# KiCad board Wrap030-Multiuser.kicad_pcb (continued)
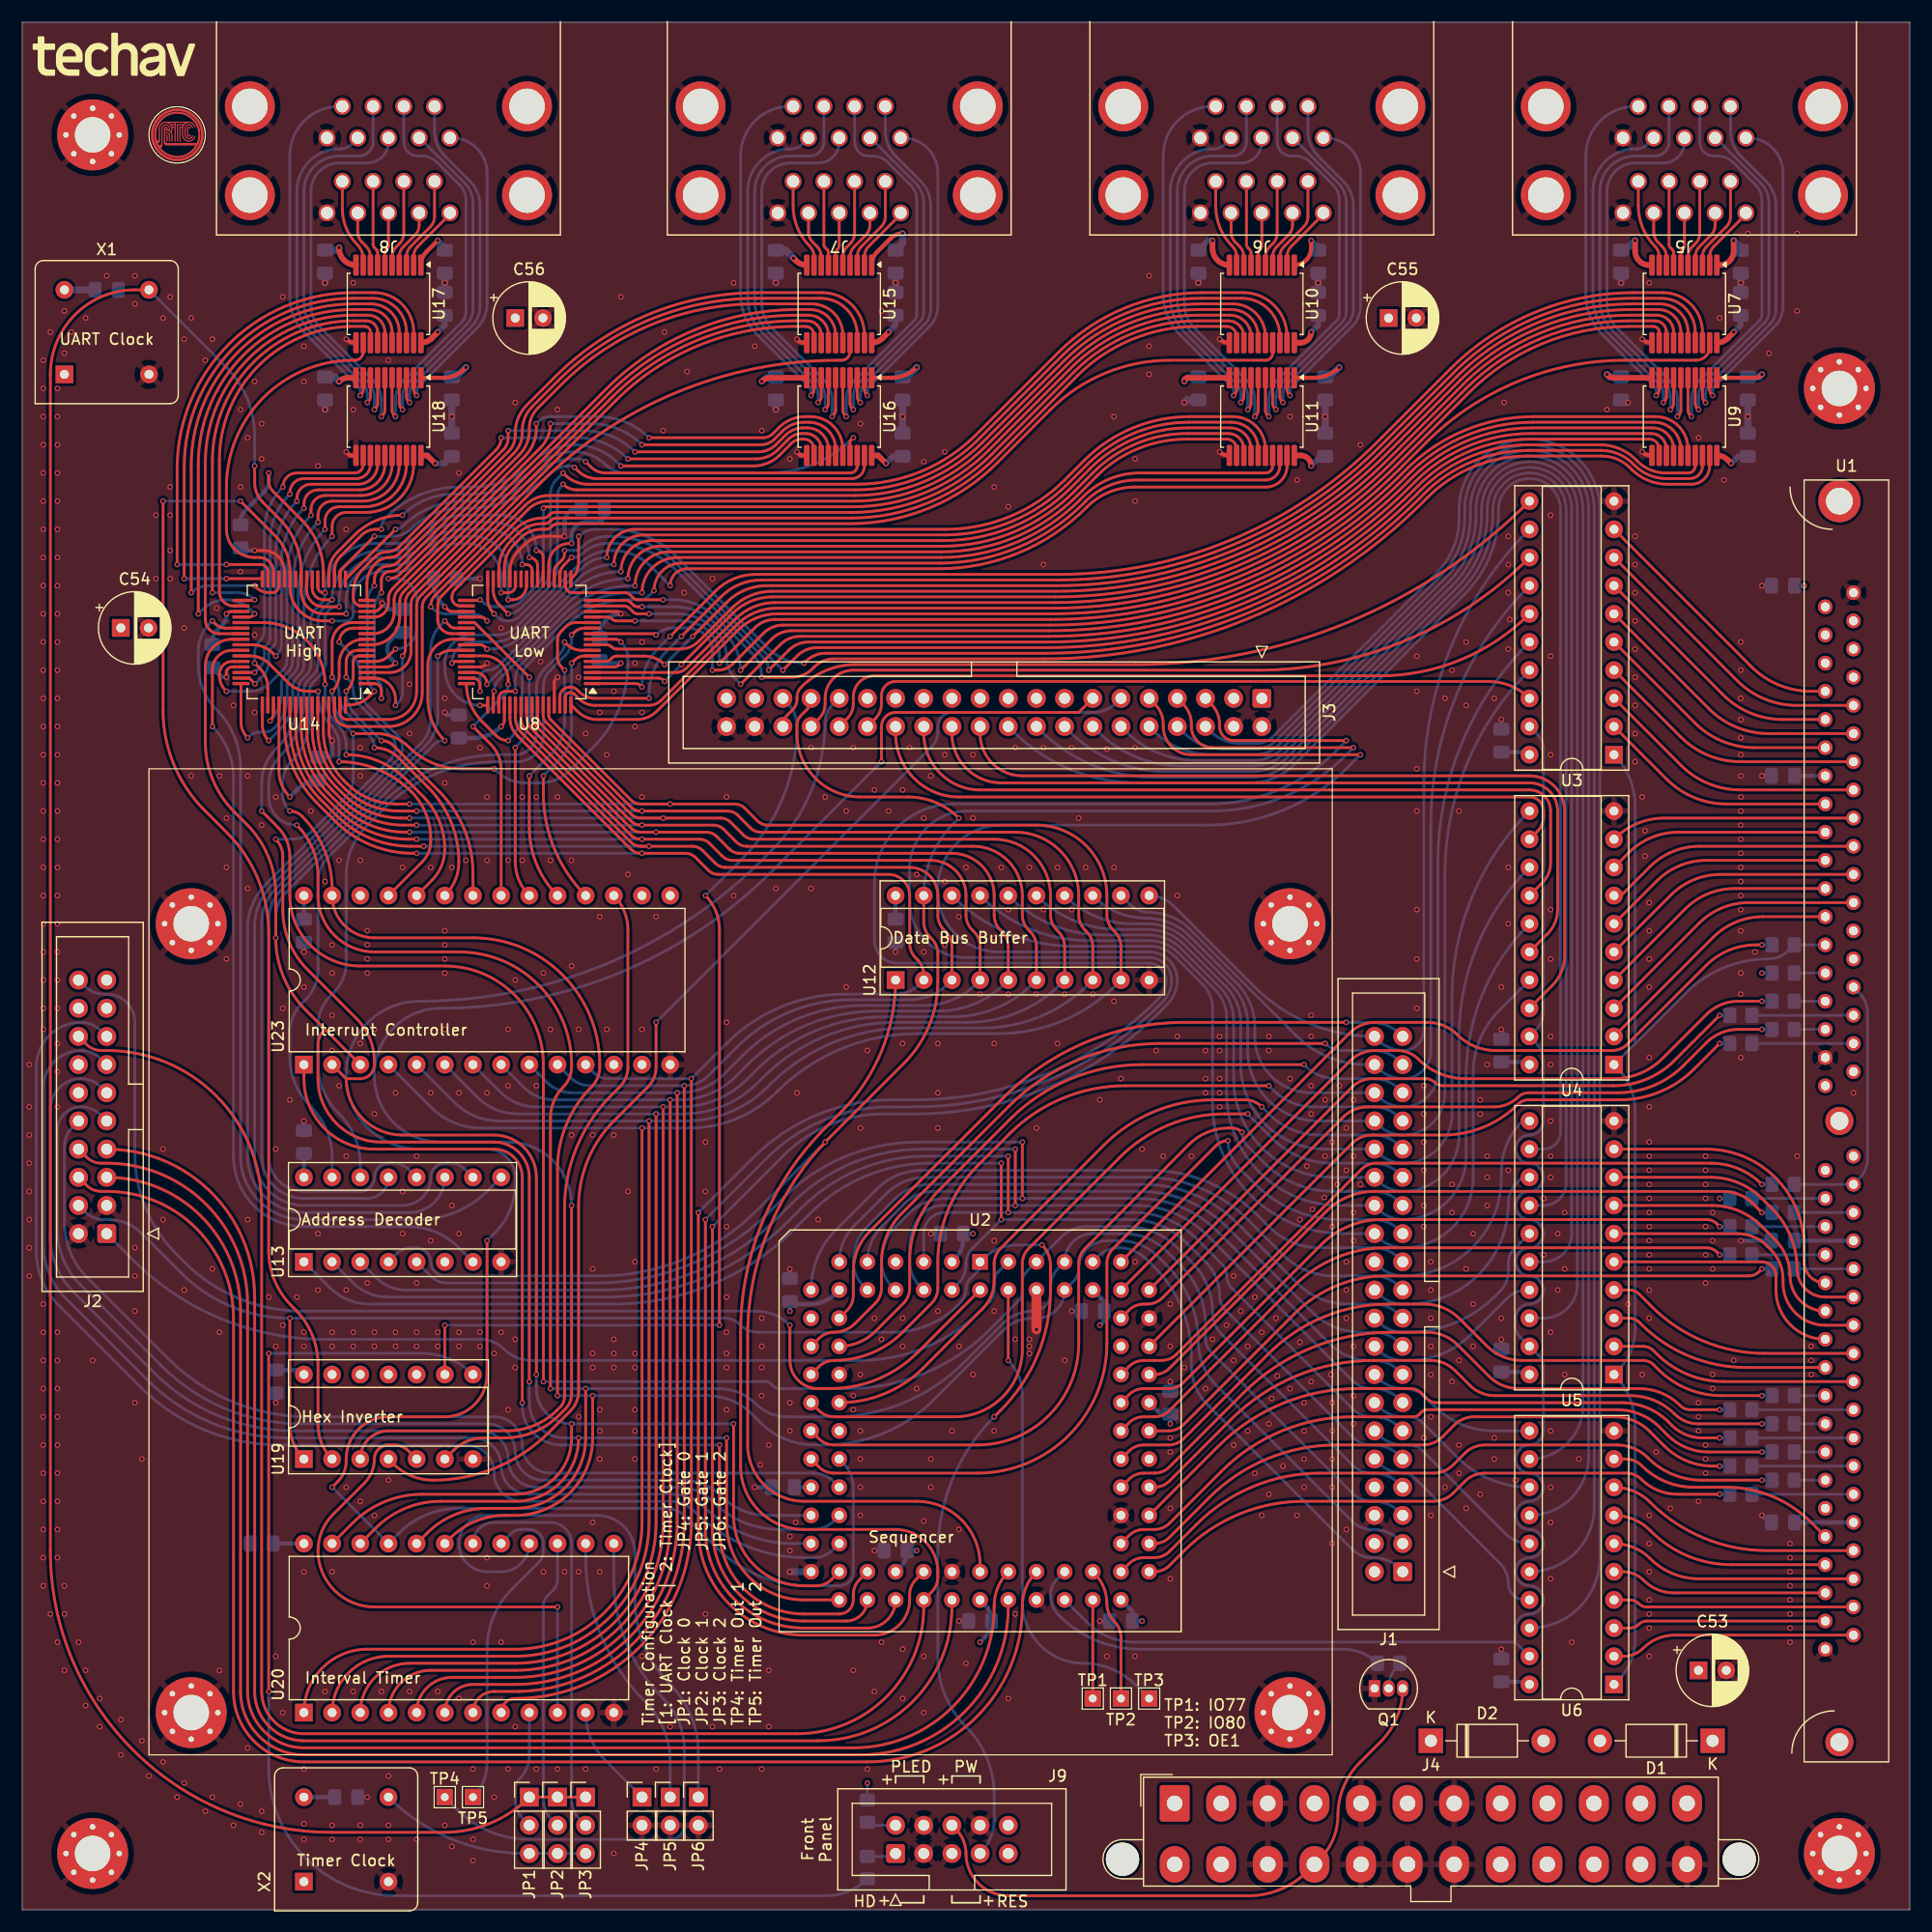
[diagram p0: board, top side]
## Copper pours and planes (outline as drawn; the poured copper is in the pictures) (continued)
+12V on In1.Cu: 31.75,138.43 64.77,138.43 66.04,139.7 68.58,139.7 69.85,138.43 102.87,138.43 104.14,139.7 106.68,139.7 107.95,138.43 120.65,138.43 120.65,139.7 109.22,139.7 107.95,140.97 102.87,140.97 101.6,139.7 71.12,139.7 69.85,140.97 64.77,140.97 63.5,139.7 33.02,139.7 29.21,143.51 24.13,143.51 22.86,144.78 22.86,149.86 26.67,153.67 33.66,153.67 37.47,149.86 63.5,149.86 67.31,153.67 74.3,153.67 78.11,149.86 101.6,149.86 105.41,153.67 112.39,153.67 116.2,149.86 139.7,149.86 143.51,153.67 147.32,153.67 149.86,151.13 149.86,139.06 151.13,137.8 157.48,137.8 157.48,139.7 153.04,139.7 151.76,140.97 151.76,147.32 153.04,148.59 154.94,148.59 156.21,149.86 156.21,153.67 154.94,154.94 142.24,154.94 139.06,151.77 120.65,151.77 117.48,154.94 104.14,154.94 100.96,151.77 82.55,151.77 79.38,154.94 66.04,154.94 62.87,151.77 41.91,151.77 38.73,154.94 25.4,154.94 20.95,150.5 20.95,144.15 24.13,140.97 29.21,140.97
-12V on In1.Cu: 26.67,151.13 29.21,151.13 31.75,148.59 64.77,148.59 67.31,151.13 69.85,151.13 72.39,148.59 102.87,148.59 105.41,151.13 107.95,151.13 110.49,148.59 140.97,148.59 143.51,151.13 146.05,151.13 148.59,148.59 148.59,138.43 143.51,133.35 28.58,133.35 26.03,135.89 26.03,138.43 27.31,139.7 28.58,139.7 31.12,137.16 64.77,137.16 66.04,138.43 68.58,138.43 69.85,137.16 102.87,137.16 104.14,138.43 106.68,138.43 107.95,137.16 139.7,137.16 142.24,139.7 146.05,139.7 147.32,140.97 147.32,146.05 146.05,147.32 26.67,147.32 25.4,148.59 25.4,149.86
-12V on In1.Cu: 136.52,13.97 137.8,13.97 138.43,14.61 138.43,16.59 139.7,17.78 162.56,17.78 167.64,22.86 167.64,128.91 164.46,132.08 147.95,132.08 144.78,135.25 144.14,135.25 144.14,134.62 147.32,131.44 163.83,131.44 167,128.27 167,23.5 161.93,18.42 138.43,18.42 135.89,15.88 135.89,14.61
/+12V-In on In1.Cu: 140.97,16.51 143.51,16.51 143.51,12.07 144.14,11.43 147.32,11.43 147.95,10.8 147.95,8.26 147.32,7.62 140.33,7.62 139.7,8.26 139.7,11.43 140.97,12.7
/-12V-In on In1.Cu: 107.32,1.91 109.22,1.91 110.49,3.18 110.49,10.8 111.76,12.07 126.36,12.07 128.27,13.97 128.27,16.51 125.73,16.51 122.55,13.34 107.95,13.34 106.05,11.43 106.05,3.18
GND on Top, Bottom, In2.Cu: -2.54,172.72 172.72,172.72 172.72,-2.54 -2.54,-2.54
VCC on In1.Cu: -5.08,175.26 175.26,175.26 175.26,-5.08 -5.08,-5.08

## Text on the board
B.Silkscreen: For best results, / use other side
F.Silkscreen: TP1: IO77 / TP2: IO80 / TP3: OE1 | Address Decoder | Hex Inverter | Data Bus Buffer | RES | Interrupt Controller | Interval Timer | Sequencer | UART Clock | UART / High | Timer Clock | UART / Low | + | PLED | PW | HD | Timer Configuration / [1: UART Clock | 2: Timer Clock] / JP1: Clock 0	JP4: Gate 0 / JP2: Clock 1	JP5: Gate 1 / JP3: Clock 2	JP6: Gate 2 / TP4: Timer Out 1 / TP5: Timer Out 2 | Front / Panel
